# Altium PCB smoothieboard-5driver.PcbDoc (part 4 of 5) (continued)
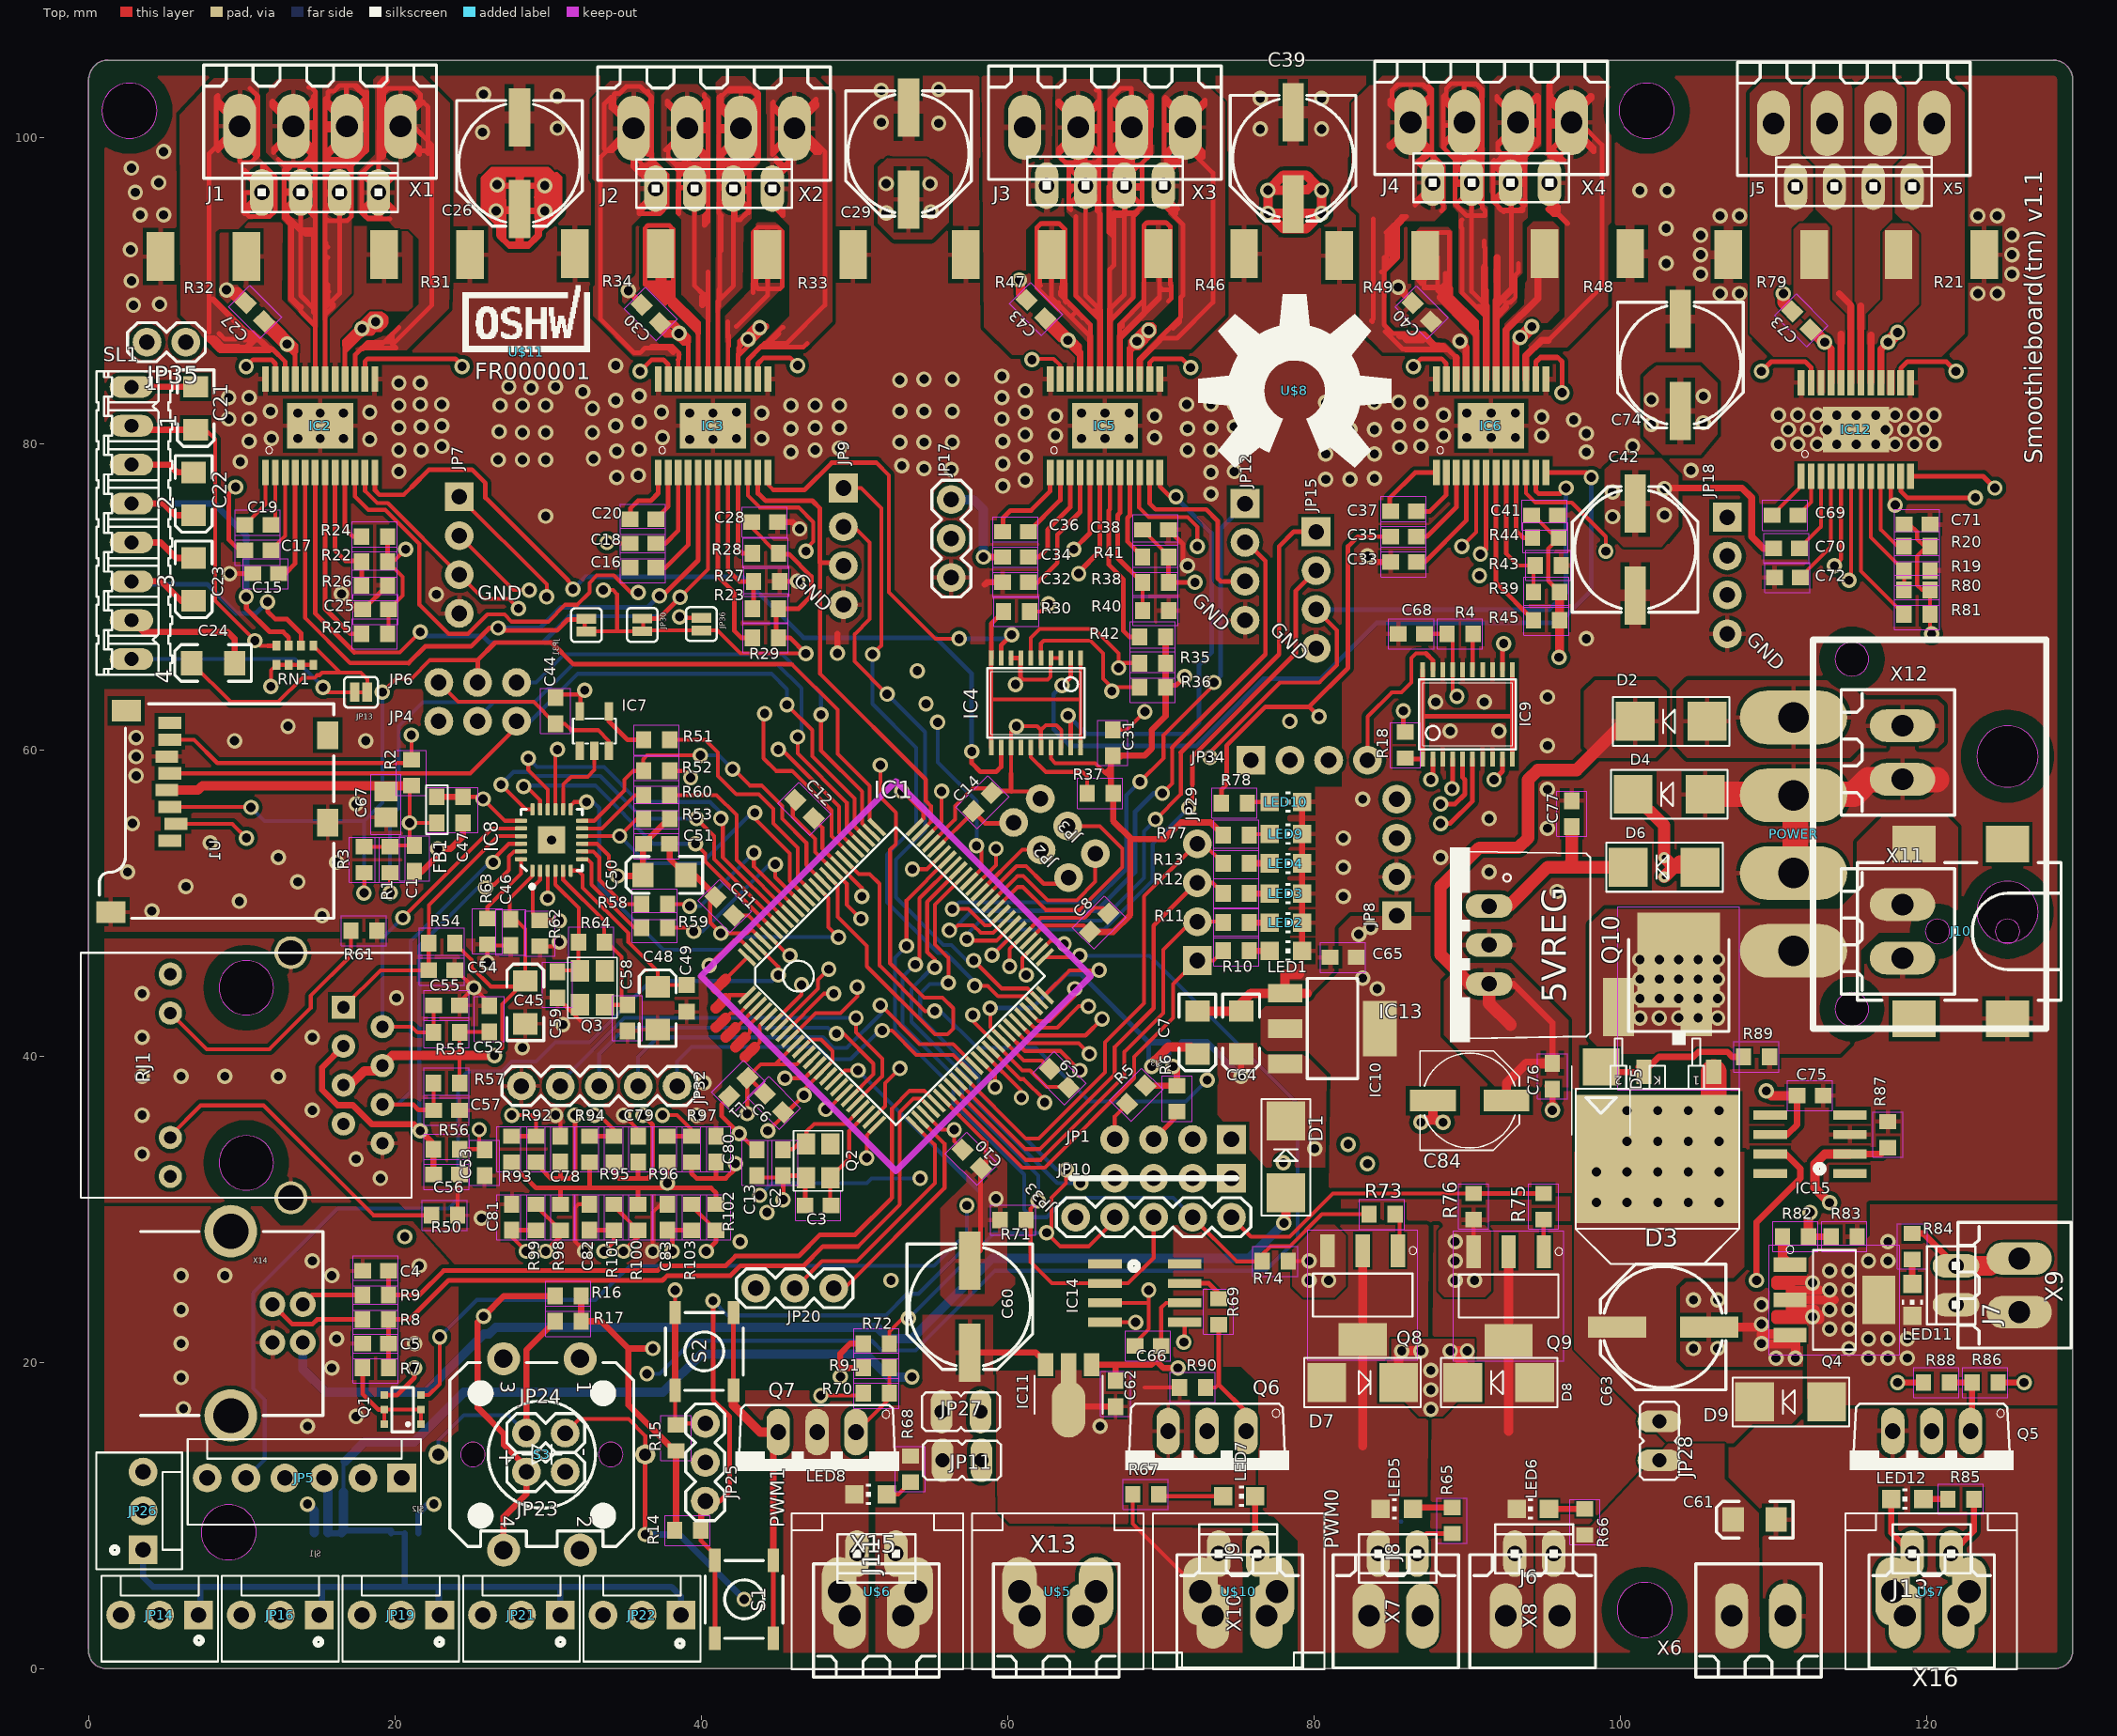
[diagram p0: Top view]
## Nets (pads, with @x,y where several pads share a name; then routed paths per layer and width w, separated by ;. In a path a pad name is that pad's centre, name@x,y a point inside that pad or via, vN(x,y) a via of type N, cw(c..) or ccw(c..) an arc to the next point about the centre after c; other vN are vias at no path point) (continued)
RD-: C57.1 IC8.22 R57.2 RJ1.RD- | length 32.5
  Top w0.254: v1(26.424,52.642) 26.615,52.832 26.615,53.023 27.444,53.852 IC8.22@28.234,53.852 ; RJ1.RD-@19.185,36.83 21.217,36.83 21.535,36.512 22.551,36.512 22.526,36.537 R57.2@22.526,38.227 C57.1@22.526,36.449 21.535,36.449 21.154,36.83 RJ1.RD-@19.185,36.83
  Bottom w0.254: RJ1.RD-@19.185,36.83 20.201,36.83 21.027,37.655 21.027,47.498 26.17,52.642 v1(26.424,52.642)
RESET: IC1.17 JP25.1 R14.1 S1.1 S1.2 | length 60.2
  Top w0.254: IC1.17@48.647,38.318 49.382,39.052 v1(50.237,39.052)
  Top w0.305: R14.1@40.013,9.056 R14.1@39.974,9.017 39.974,8.358 40.775,7.556 40.775,7.175 S1.2@40.902,7.048 40.902,2.032 40.966,1.968 S1.1@40.902,1.968 ; JP25.1@40.267,10.922 41.22,10.922 41.855,11.557 41.855,16.447 40.775,17.526 v1(40.775,24.003)
  Top w0.406: R14.1@40.013,9.056 40.013,10.668 JP25.1@40.267,10.922
  Bottom w0.254: v1(40.775,24.003) 41.728,23.05 52.038,23.05 53.451,24.464 54.193,24.464 58.258,28.529 58.258,31.031 v1(50.237,39.052)
RSTOUT: IC1.14 IC8.15 | length 34.9
  Top w0.254: IC8.15@30.484,56.102 30.484,59.876 v1(30.615,60.008) ; v1(45.474,38.544) 46.753,38.544 IC1.14@47.587,39.378
  Route2 w0.254: v1@30.488,59.88 v1(30.615,60.008) 30.425,59.817 30.425,57.15 33.536,54.038 33.536,49.593 44.585,38.544 v1(45.474,38.544)
RTS: JP5.6
RX_0: IC1.99 JP5.4 | length 53.4
  Top w0.254: v1(40.521,45.91) 42.139,47.529 42.618,47.529 IC1.99@43.344,46.803
  Route15 w0.254: JP5.4@12.825,12.429 12.825,12.754 15.883,15.811 15.883,17.399 17.153,18.669 17.153,21.844 20.011,24.701 21.281,24.701 24.773,28.194 24.773,29.781 26.678,31.686 26.678,38.672 27.631,39.624 29.218,39.624 30.488,40.894 33.981,40.894 38.997,45.91 v1(40.521,45.91)
SCK1: IC1.62 JP2.3 | length 6.9
  Top w0.254: IC1.62@58.547,50.338 58.547,50.347 60.587,52.387 61.222,52.387 62.365,51.244 63.58,51.244 JP2.3@63.989,51.653
SCL: IC1.24 JP1.4 R5.1 | length 41.1
  Top w0.254: IC1.24@51.122,35.843 52.008,36.729 52.008,38.22 v1(52.967,39.179) ; JP1.4@67.001,34.544 67.001,36.056 R5.1@67.804,36.859
  Route2 w0.254: v1(52.967,39.179) 53.539,39.751 59.571,39.751 62.81,42.989 62.81,47.879 63.318,48.387 65.858,48.387 67.556,46.689 67.556,41.37 67.239,41.053 67.239,34.782 JP1.4@67.001,34.544
SD_CD: IC1.52 JP20.3 | length 38.4
  Top w0.254: IC1.52@62.082,46.803 62.808,47.529 63.477,47.529 v1(63.699,47.307)
  Route2 w0.254: JP20.3@43.569,24.828 45.03,26.289 48.903,26.289 50.491,27.877 50.491,31.686 52.396,33.591 52.396,37.401 53.983,38.989 59.698,38.989 63.381,42.672 63.381,46.99 v1(63.699,47.307)
SD_CS: IC1.79 JP4.2 R1.1 U1.2 | length 71.8
  Top w0.254: U1.2@5.71,55.152 9.385,55.152 v1(10.308,54.229) ; R1.1@19.682,51.963 19.69,51.954 v1(19.69,50.654) ; v1(46.3,60.833) 46.3,59.753 49.508,56.545 49.508,54.781 IC1.79@50.415,53.874
  Route2 w0.254: v1(10.308,54.229) 18.208,54.229 19.69,52.746 v1(19.69,50.654)
  Bottom w0.254: v1(19.69,50.654) 19.69,55.612 20.265,56.186 20.265,61.531 21.836,63.103 26.472,63.103 ; JP4.2@25.408,61.849 25.408,62.039 26.472,63.103 ; v1(46.3,60.833) 46.554,61.087 46.554,64.008 44.966,65.596 31.631,65.596 29.139,63.103 26.472,63.103
SD_IRQ: IC1.27 JP20.1 | length 15.1
  Top w0.254: JP20.1@48.649,24.828 49.348,24.828 55.888,31.369 55.888,34.259 IC1.27@54.304,35.843
SD_MISO: IC1.77 JP6.1 R2.1 U1.7 | length 59.5
  Top w0.254: U1.7@5.31,60.652 6.885,60.652 8.408,59.129 20.863,59.129 R2.1@21.082,59.348 v1(21.082,60.952) ; v1(47.824,62.293) 47.824,59.944 50.508,57.259 50.508,55.195 IC1.77@51.122,54.581
  Route15 w0.254: v1(21.082,60.952) 21.082,62.603 21.598,63.119 26.678,63.119 JP6.1@27.948,64.389
  Bottom w0.254: JP6.1@27.948,64.389 29.218,64.389 31.06,66.23 45.284,66.23 47.824,63.691 v1(47.824,62.293)
SD_MOSI: IC1.76 JP6.2 R3.1 U1.3 | length 71.1
  Top w0.254: U1.3@5.31,56.252 10.585,56.252 v1(10.608,56.229) ; v1(17.985,50.64) 18.004,50.66 R3.1@18.004,51.963 ; v1(19.185,63.754) 20.074,64.643 21.09,64.643 22.297,65.849 25.408,65.849 ; 45.855,65.596 45.919,65.596 48.903,62.611 48.903,59.734 51.008,57.629 51.008,55.402 IC1.76@51.476,54.935
  Top w0.305: JP6.2@25.408,64.389 25.408,65.849 26.551,66.992 30.234,66.992 31.631,65.596 45.855,65.596
  Bottom w0.254: v1(10.608,56.229) 11.496,55.341 17.985,55.341 ; v1(17.985,50.64) 17.985,55.341 ; v1(19.185,63.754) 19.185,56.54 17.985,55.341
SD_SCK: IC1.78 JP4.3 U1.5 | length 55.5
  Top w0.254: U1.5@5.31,58.452 24.932,58.452 27.948,61.468 JP4.3@27.948,61.849 ; v1(45.601,62.928) 47.252,61.277 47.252,59.563 50.008,56.807 50.008,54.988 IC1.78@50.768,54.228
  Bottom w0.254: JP4.3@27.948,61.849 28.837,61.849 31.949,64.96 44.585,64.96 45.601,63.944 v1(45.601,62.928)
SD_WP: IC1.26 JP20.2 | length 16.3
  Top w0.254: JP20.2@46.109,24.828 47.887,26.607 50.173,26.607 55.253,31.686 55.253,34.187 IC1.26@53.95,35.489
SDA: IC1.25 JP1.3 R6.1 | length 48.8
  Top w0.254: v1(50.808,33.337) 50.808,34.822 IC1.25@51.476,35.489
  Top w0.305: JP1.3@69.541,34.544 71.065,36.068 R6.1@71.065,36.361
  Route2 w0.254: v1(50.808,33.337) 51.824,34.353 51.824,39.688 52.586,40.45 59.381,40.45 62.238,43.307 62.238,48.197 63,48.959 66.175,48.959 68.137,46.996 68.137,41.078 67.794,40.735 67.794,36.29 JP1.3@69.541,34.544
SMALL_MOSFET_POWER: C61.A D7.C D8.C J6.1 J8.2 JP28.1 R65.1 R66.1 X6.1 X7.1 X8.1 | length 10.2
  Top w0.305: J8.2@86.749,7.493 86.749,8.167 87.384,8.802 R65.1@89.035,8.802
  Top w0.61: D7.C@85.543,18.669 85.543,20.542 v1(85.733,20.733) v1(87.003,20.733) ; D8.C@89.734,18.669 89.734,19.907 v1(88.908,20.733) v1(90.019,20.733)
  Bottom w0.254: 85.648,9.589 85.718,9.589
  other v1: 87.638,16.923 87.638,18.193 87.638,19.463
SSEL1: IC1.63 JP2.2 | length 5.2
  Top w0.254: IC1.63@58.193,50.692 60.968,53.467 62.175,53.467 JP2.2@62.193,53.449
STP1: IC1.75 IC2.P11 JP7.3 | length 47.8
  Top w0.254: 18.046,76.894 18.844,76.097 19.542,76.097 JP7.3@24.202,71.438 25.789,69.85 27.44,69.85 v1(28.075,69.215) ; v1(53.094,57.277) 53.16,57.277 54.508,55.929 54.508,55.492 IC1.75@53.95,54.935
  Top w0.305: 18.046,76.894 IC2.P11@18.046,78.103
  Route2 w0.254: v1(28.075,69.215) 29.98,67.31 36.838,67.31 44.014,60.134 44.014,59.69 44.966,58.737 50.146,58.737 51.607,57.277 v1(53.094,57.277)
STP2: IC1.74 IC3.P11 JP9.3 | length 32
  Top w0.254: 47.76,72.2 47.76,64.96 54.664,58.057 54.664,56.66 54.999,56.325 54.999,55.276 IC1.74@54.304,54.581
  Top w0.305: IC3.P11@43.7,78.103 43.7,76.712 43.696,76.708 43.696,76.772 44.204,76.263 47.252,76.263 47.76,75.755 47.76,72.2 49.094,72.2 JP9.3@49.284,72.009
STP3: IC1.73 IC5.P11 JP12.3 | length 44.8
  Top w0.254: IC1.73@54.658,54.228 55.698,55.268 v1(55.698,57.277)
  Top w0.305: IC5.P11@69.291,78.103 69.291,76.069 69.668,75.692 72.97,75.692 73.732,74.93 73.732,71.183 73.922,70.993 JP12.3@75.51,70.993
  Route2 w0.254: v1(55.698,57.277) 56.523,58.102 56.523,60.261 58.238,61.976 58.238,65.468 59.254,66.484 69.985,66.484
  Route2 w0.305: 69.985,66.484 74.494,70.993 JP12.3@75.51,70.993
STP4: IC1.70 IC6.P11 JP15.3 | length 67.1
  Top w0.254: v1(53.793,52.197) 54.748,52.197 IC1.70@55.718,53.167 ; v1(73.224,59.499) 73.224,59.817 77.796,64.389 80.368,64.389 81.508,65.529 81.508,67.789 JP15.3@80.145,69.151
  Top w0.305: IC6.P11@94.5,78.103 94.5,76.894 94.687,76.708 96.084,76.708 v1(96.465,77.089)
  Route2 w0.254: v1(53.793,52.197) 53.983,52.197 61.413,59.627 73.097,59.627 v1(73.224,59.499)
  Bottom w0.305: JP15.3@80.145,69.151 95.38,69.151 96.465,70.236 v1(96.465,77.089)
STP5: IC1.65 IC12.P11 JP18.3 | length 101.7
  Top w0.254: IC1.65@57.486,51.399 58.301,52.214 58.301,53.404 v1(57.984,53.721)
  Top w0.305: IC12.P11@118.32,77.859 118.32,76.887 118.753,76.454 v1(123.198,76.454)
  Route2 w0.305: v1(55.444,61.785) 55.888,62.23 55.888,67.882 62.238,74.231 72.716,74.231 74.621,72.326 76.208,72.326 78.113,70.421 82.241,70.421 82.558,70.104 89.543,70.104 89.861,69.787 91.766,69.787 92.083,70.104 JP18.3@107.006,70.104
  Route2 w0.457: JP18.3@107.006,70.104 121.928,70.104 123.198,71.374 v1(123.198,76.454)
  Bottom w0.254: v1(55.444,61.785) 55.444,59.182 57.984,56.642 v1(57.984,53.721)
TD+: C54.1 IC8.21 R54.2 RJ1.TD+ | length 18.7
  Top w0.254: RJ1.TD+@16.645,43.18 19.058,45.593 C54.1@22.209,45.593 R54.2@22.209,47.371 22.233,47.395 22.233,49.847 26.737,54.352 IC8.21@28.234,54.352
TD-: C55.1 IC8.20 R55.2 RJ1.TD- | length 23.1
  Top w0.254: RJ1.TD-@19.185,41.91 21.09,41.91 21.471,41.529 R55.2@22.526,41.529 ; v1(20.519,49.022) 26.349,54.852 IC8.20@28.234,54.852 ; R55.2@22.501,41.554 R55.2@22.526,41.529 ; C55.1@22.526,43.307 R55.2@22.526,41.529
  Bottom w0.254: RJ1.TD-@19.185,41.91 19.185,47.688 v1(20.519,49.022)
TH1: C21.A IC1.9 RN1.8 SL1.2 | length 102.9
  Top w0.254: C21.A@7.053,80.835 7.701,80.835 8.258,80.279 8.258,69.728 v1(10.867,67.12) 11.194,66.792 11.702,66.792 ; IC1.9@45.819,41.146 47.471,42.799 49.094,42.799 50.192,43.898 v1(50.192,44.504)
  Top w0.305: C21.A@6.993,80.896 C21.A@7.053,80.835 ; 11.702,66.792 RN1.8@12.27,66.792
  Top w0.406: SL1.2@2.802,81.153 3.059,80.896 C21.A@6.993,80.896
  Route2 w0.254: v1(10.867,67.12) 9.408,68.578 9.408,70.329 10.008,70.929 12.208,70.929 14.408,68.729 22.02,68.729 23.249,67.501 24.479,67.501 28.386,71.408 38.836,71.408 40.308,69.936 40.308,66.829 43.066,64.072 45.933,64.072 46.83,63.175 46.83,61.86 48.492,60.198 51.956,60.198 54.208,57.946 54.208,56.829 52.808,55.429 52.808,48.329 50.192,45.713 v1(50.192,44.504)
TH2: C22.A IC1.8 RN1.7 SL1.4 | length 86.3
  Top w0.254: v1@10.295,69.913 10.359,69.85 10.359,69.215 11.819,67.754 11.819,67.691 ; IC1.8@45.465,41.5 48.035,44.069 v1(48.658,44.069)
  Top w0.305: v1(10.295,69.977) 10.295,69.913 10.295,69.215 11.819,67.691 12.708,67.691 13.07,67.329 RN1.7@13.07,66.792
  Top w0.406: SL1.4@2.802,76.073 4.898,76.073 5.663,75.308 C22.A@6.866,75.308
  Route15 w0.254: v1(10.295,69.977) 10.295,69.342 12.899,66.739 38.299,66.739 44.014,61.023 44.014,59.309 48.408,54.915 48.408,49.529 49.808,48.129 49.808,45.729 48.708,44.629 48.708,44.119 v1(48.658,44.069)
  Bottom w0.406: SL1.4@2.802,76.073 8.214,76.073 10.295,73.992 v1(10.295,69.977)
TH3: C23.A IC1.7 RN1.6 SL1.6 | length 83
  Top w0.254: IC1.7@45.112,41.853 45.112,41.865 47.633,44.386 47.633,44.967 v1(48.332,45.666)
  Top w0.305: v1(11.692,69.659) 11.692,69.025 12.2,68.516 12.962,68.516 13.87,67.608 RN1.6@13.87,66.792
  Top w0.406: SL1.6@2.802,70.993 4.771,70.993 6.044,69.72 C23.A@6.866,69.72
  Route2 w0.254: v1(11.692,69.659) 14.613,66.739 36.584,66.739 43.569,59.753 43.569,59.245 44.966,57.848 50.11,57.848 52.205,55.753 52.205,48.578 49.293,45.666 v1(48.332,45.666)
  Bottom w0.254: SL1.6@2.739,70.993 SL1.6@2.802,70.993
  Bottom w0.305: SL1.6@2.739,70.993 2.929,70.802 7.755,70.802 9.66,68.897 10.93,68.897 v1(11.692,69.659)
TH4: IC1.6 JP13.1 SL1.8 | length 75.1
  Top w0.254: v1(15.312,64.072) 15.629,63.754 JP13.1@17.376,63.754 18.264,63.754 ; IC1.6@44.758,42.207 44.758,42.21 46.554,44.005 v1(46.554,44.64)
  Route2 w0.254: v1(15.312,64.072) 17.344,66.103 36.267,66.103 43.008,59.362 43.008,58.929 44.85,57.087 49.983,57.087 51.634,55.435 51.634,48.831 49.348,46.545 47.887,46.545 46.554,45.212 v1(46.554,44.64)
  Bottom w0.254: SL1.8@2.802,65.913 13.47,65.913 v1(15.312,64.072)
TH4_P: C24.A JP13.2 RN1.5 | length 16.8
  Top w0.254: C24.A@6.736,65.659 9.276,63.119 12.391,63.119 13.978,64.706 14.772,64.706 14.931,64.865 15.089,64.865 15.248,65.024 16.438,65.024 ; RN1.5@14.67,66.792 16.438,65.024 ; JP13.2@18.2,63.754 18.2,64.612 17.788,65.024 16.518,65.024 16.438,65.024
THETA_CURRENT: IC9.19 JP34.4 | length 10.6
  Top w0.254: JP34.4@83.511,59.309 83.511,62.166 85.098,63.754 85.733,63.754 86.368,64.389 86.368,65.977 86.686,66.294 87.321,66.294
  Top w0.305: 87.321,66.294 87.768,65.846 IC9.19@87.768,65.227
TX_0: IC1.98 JP5.5 | length 62.7
  Top w0.254: IC1.98@43.697,47.157 45.03,45.824 v1(45.03,45.276)
  Bottom w0.254: JP5.5@10.285,12.429 11.508,13.652 11.508,17.529 10.758,18.279 10.758,24.529 16.258,30.029 23.503,30.029 24.138,30.664 24.138,38.354 24.773,38.989 26.996,38.989 27.631,39.624 29.218,39.624 30.488,40.894 32.711,40.894 36.711,44.895 44.649,44.895 v1(45.03,45.276)
USB_D+: C5.2 IC1.29 R7.1 R8.2 | length 48.4
  Top w0.254: 50.237,27.559 52.967,30.29 52.967,36.322 53.856,37.211 54.35,37.211 IC1.29@55.011,36.55 IC1.29@55.011,36.564
  Top w0.305: R7.1@19.59,19.621 C5.2@19.59,21.209 R8.2@19.59,22.796 20.963,22.796 23.503,25.336 37.473,25.336 37.791,25.654 41.918,25.654 42.553,26.289 46.681,26.289 47.951,27.559 50.237,27.559
USB_D-: C4.2 IC1.30 R9.2 | length 46.7
  Top w0.254: 52.396,30.67 52.459,30.734 52.459,36.576 53.602,37.719 54.549,37.719 IC1.30@55.365,36.903 IC1.30@55.365,36.909
  Top w0.305: C4.2@19.59,25.971 R9.2@19.59,24.384 21.598,24.384 23.186,25.971 37.156,25.971 37.473,26.289 41.601,26.289 42.236,26.924 46.363,26.924 47.76,28.321 50.046,28.321 52.396,30.67
VBB: C17.1 C18.1 C26.+ C27.1 C29.+ C30.1 C34.1 C35.1 C39.+ C40.1 C42.+ C43.1 C63.+ C70.1 C73.1 C74.+ D3.K D4.C D5.C D6.A D9.C IC2.P16 IC2.P21 IC3.P16 IC3.P21 IC5.P16 IC5.P21 IC6.P16 IC6.P21 IC12.P16 IC12.P21 J7.1 J13.1 JP11.2 JP17.1 JP27.2 JP28.2 Q10.2 R78.2 R84.1 R85.1 U$7.P$2 X9.1 X16.1 | length 324
  Top w0.254: 16.709,86.423 16.734,86.398 16.746,86.398 ; v1(33.854,73.533) 33.917,73.469 C18.1@35.353,73.469 ; C30.1@37.312,87.855 C30.1@37.41,87.757 ; 37.727,87.058 37.727,87.122 ; C30.1@37.727,87.503 37.791,87.503 37.981,87.312 ; C30.1@38.045,87.82 38.108,87.757 ; v1(38.553,87.185) v1@38.553,87.249 ; v1@38.934,86.868 38.934,86.853 39.008,86.779 ; 42.4,85.529 42.426,85.555 42.426,85.725 ; 42.426,86.233 42.426,86.169 42.49,86.169 ; 63.095,87.471 63.127,87.439 63.191,87.439 ; 68.017,86.042 68.017,86.233 v1(68.461,86.677)
  Top w0.305: v1(9.597,77.153) 9.152,76.708 9.152,73.724 9.851,73.025 C17.1@10.207,73.025 ; C27.1@11.467,87.982 12.2,87.249 12.137,87.249 ; C27.1@11.692,87.694 12.137,87.249 ; C27.1@11.946,87.884 12.073,87.884 13.534,86.423 13.534,85.979 13.47,85.915 ; v1(12.962,86.487) v1@12.962,86.423 ; 13.407,85.852 13.153,86.106 12.962,86.106 12.708,86.36 12.645,86.36 11.692,87.312 11.629,87.312 12.01,87.694 12.073,87.694 12.137,87.63 12.137,87.566 12.454,87.249 12.454,87.122 12.899,86.677 12.962,86.677 13.089,86.55 13.089,86.487 13.47,86.106 13.47,85.915 ; IC2.P21@13.496,84.203 13.496,85.89 13.47,85.915 ; IC2.P16@16.746,84.203 16.746,86.398 v1(17.852,87.503) ; v1@17.534,87.503 16.709,86.677 16.709,86.423 17.026,86.741 17.153,86.741 17.534,87.122 17.534,87.058 ; v1@17.598,87.503 17.598,87.63 18.423,88.456 19.122,88.456 19.185,88.392 19.249,88.392 19.439,88.201 19.439,87.884 19.376,87.82 19.376,87.757 19.058,87.439 18.614,87.439 18.423,87.249 18.042,87.249 17.852,87.058 17.534,87.058 ; v1@17.852,87.122 16.963,86.233 ; 18.677,87.376 18.487,87.185 17.852,87.185 16.772,86.106 16.772,86.042 16.963,86.233 ; v1@18.995,88.011 18.868,87.884 18.487,87.884 18.233,87.63 18.106,87.63 18.106,87.82 18.423,88.138 19.185,88.138 19.249,88.075 19.249,88.011 19.058,87.82 18.741,87.82 18.296,87.376 18.233,87.439 18.042,87.439 17.979,87.503 17.979,87.694 17.915,87.63 17.915,87.439 17.534,87.058 ; v1@26.583,96.806 26.615,96.806 v1@26.615,96.837 ; 29.218,96.075 29.282,96.075 ; 29.218,97.536 28.393,97.536 ; 29.282,96.393 29.282,96.075 ; 29.377,93.567 29.282,93.567 29.282,93.599 ; 29.599,97.346 29.599,97.314 ; v1@29.694,97.314 29.599,97.314 ; v1(29.79,96.837) v1@29.599,96.837 ; v1@29.853,95.186 29.853,95.313 v1@30.107,95.313 ; C30.1@37.346,87.82 C30.1@37.312,87.855 37.219,87.947 37.219,88.011 C30.1@37.727,87.503 ; C30.1@37.537,87.884 38.108,87.884 ; 37.727,87.122 37.791,87.185 37.791,87.312 ; C30.1@37.854,87.694 38.108,87.694 v1@38.553,87.249 ; 38.108,87.757 38.108,87.884 ; 38.896,86.779 39.008,86.779 39.15,86.779 IC3.P21@39.15,84.203 ; v1@38.934,86.868 v1@38.553,87.249 ; IC3.P16@42.4,84.203 42.4,85.529 42.4,85.826 ; 42.49,86.106 42.49,86.169 42.49,86.677 v1@43.696,87.884 ; v1@42.934,86.55 v1@42.934,86.804 ; v1@43.569,87.185 43.95,87.566 44.014,87.503 44.204,87.503 43.442,86.741 43.379,86.741 43.315,86.804 43.188,86.804 43.506,87.122 v1@43.506,87.376 ; v1(43.823,87.566) v1@43.823,87.694 ; v1@44.268,87.566 42.426,85.725 42.426,86.233 42.807,86.614 42.807,86.677 v1@42.934,86.804 ; v1@44.268,87.694 44.204,87.694 44.141,87.757 43.887,87.757 v1@43.823,87.694 ; C43.1@62.458,88.172 63.191,87.439 63.254,87.439 v1(63.953,86.741) 64.74,85.953 ; C43.1@62.556,87.63 C43.1@62.619,87.566 ; 62.937,87.63 63.095,87.471 64.08,86.487 64.588,86.487 64.715,86.36 64.715,85.725 63.699,86.741 63.445,86.741 C43.1@62.619,87.566 ; v1@64.143,86.614 64.524,86.233 64.524,86.55 63.064,88.011 63.064,87.694 63.191,87.566 C43.1@62.619,87.566 ; 67.991,86.207 v1(68.461,86.677) ; v1@68.207,86.55 69.287,87.63 69.35,87.63 69.414,87.566 69.414,87.439 68.652,86.677 68.652,86.614 68.08,86.042 68.017,86.042 ; R78.2@73.961,56.515 73.986,56.539 73.986,57.404 74.303,57.721 74.303,60.261 76.843,62.801 79.701,62.801 ; v1(80.336,62.166) 79.701,62.801 ; C35.1@85.01,73.914 82.876,73.914 82.241,73.279 82.241,65.341 79.701,62.801 ; 12.137,87.249 v1@12.962,86.423 ; v1@12.962,86.423 13.47,85.915 ; 16.963,86.233 16.772,86.233 17.534,86.995 17.534,87.058 ; 27.885,93.027 28.012,93.154 28.012,97.536 ; 27.885,93.027 27.44,93.027 27.123,93.345 27.123,95.885 27.059,95.948 27.059,97.409 27.186,97.536 28.012,97.536 ; 27.885,93.027 28.202,93.027 ; 28.012,97.536 28.139,97.536 ; 28.139,97.536 28.393,97.536 ; 28.139,97.536 28.139,93.091 28.202,93.027 ; 28.202,93.027 28.266,93.027 ; 28.266,93.027 28.266,97.409 28.393,97.536 ; 28.266,93.027 28.71,93.027 29.282,93.599 ; 29.282,93.599 29.282,96.075 ; 29.282,96.075 29.599,96.075 v1@29.599,96.837 ; v1@29.599,96.837 29.599,97.314 ; 38.108,87.884 38.235,87.884 39.188,86.931 39.188,86.614 39.124,86.55 38.807,86.55 38.553,86.804 38.489,86.804 38.235,87.058 37.727,87.058 37.664,87.058 37.473,87.249 37.537,87.249 37.727,87.439 37.854,87.439 37.981,87.312 38.045,87.249 v1@38.553,87.249 ; v1@42.934,86.804 v1@43.506,87.376 ; v1@43.506,87.376 v1@43.823,87.694 ; 68.017,86.042 68.207,86.233 68.588,86.233 69.604,87.249 69.604,87.63 69.477,87.757 69.096,87.757 68.017,86.677 68.017,86.042
  Top w0.406: v1(26.615,95.186) 26.615,96.837 v1(29.79,96.837) 29.853,96.837 29.853,95.186 26.551,95.186 26.551,95.298 C26.+@28.139,95.298 ; 30.552,97.536 30.742,97.346 30.742,95.123 30.044,94.424 29.917,94.424 29.409,93.916 29.409,93.599 29.377,93.567 28.71,92.9 27.504,92.9 26.805,93.599 26.805,94.297 25.789,95.313 25.789,97.282 26.361,97.853 29.98,97.853 30.615,97.218 30.615,95.123 ; v1(58.428,72.581) C34.1@59.674,72.581 ; IC5.P21@64.74,84.203 64.74,85.953 ; IC5.P16@67.991,84.203 67.991,86.207 ; R84.1@119.071,28.409 119.808,28.409 J7.1@121.928,26.289 ; J13.1@121.611,7.493 123.095,8.978 R85.1@123.095,11.049
  Top w0.457: v1(89.543,86.677) 89.95,86.271 IC6.P21@89.95,84.203 ; IC6.P16@93.2,84.203 93.2,86.652 v1(93.48,86.931) v1@93.544,86.931 ; v1(102.897,77.05) 102.935,77.089 107.958,77.089 108.593,76.454 108.593,73.914 109.353,73.154 C70.1@110.013,73.154 ; v1(105.437,83.083) v1@105.475,83.121 ; C73.1@112.439,87.428 C73.1@112.542,87.428 ; v1(113.356,86.614) 113.771,86.199 IC12.P21@113.771,83.959 ; IC12.P16@117.02,83.959 117.02,86.151 v1(117.483,86.614)
  Top w0.61: C39.+@78.649,96.529 v1(77.008,96.529) ; v1(77.008,95.029) 78.008,94.029 78.649,94.029 79.508,94.029 v1(80.508,95.029) ; v1(77.008,95.029) C39.+@78.508,95.029 ; v1(77.008,95.029) v1(77.008,96.529) ; v1(77.008,96.529) 78.008,97.529 79.508,97.529 80.026,97.01 ; C39.+@78.508,95.029 78.649,95.17 78.649,96.172 79.044,96.567 79.583,96.567 80.026,97.01 ; C39.+@78.508,95.029 v1(80.508,95.029) ; 80.026,97.01 v1(80.508,96.529) v1(80.508,95.029)
  Top w0.813: v1@93.544,86.931 v1(94.242,87.63) ; D5.C@98.751,34.884 99.996,34.884 v1(100.453,34.426) ; D4.C@100.846,57.087 102.878,55.054 v2(102.878,52.959) 103.513,52.324 D6.A@105.228,52.324 ; v2(102.878,51.689) 103.894,52.705 D6.A@105.228,52.705 ; C73.1@112.542,87.428 v1(113.356,86.614) ; v1(117.483,86.614) v1(118.118,87.249)
  Top w1.016: v1@26.361,95.567 26.361,97.028 26.583,96.806 26.678,96.71 26.678,94.932 26.742,94.996 26.742,97.536 ; 29.599,97.346 29.599,94.805 v1@29.663,94.742 ; 29.599,97.409 29.694,97.314 30.298,96.71 30.361,96.71 ; v1@30.107,95.313 v1@30.107,97.091
  Top w1.27: J7.1@121.928,26.289 124.151,26.289 124.786,26.924 X9.1@126.056,26.924
  Top w1.676: Q10.2@106.11,38.951 106.11,36.769 v1(106.453,36.426)
  Route15 w0.406: JP27.2@58.238,16.764 JP27.2@58.301,16.7 ; v1(80.336,62.166) 83.511,62.166 85.416,64.072 85.416,69.151 86.051,69.787 102.561,69.787
  Route15 w0.61: v1(33.854,73.533) 33.981,73.66 33.981,76.772 ; v1@58.428,72.644 58.428,77.089
  Route15 w0.813: v1(100.453,36.426) 99.703,37.176 99.703,48.514 v2(102.878,51.689) 103.513,52.324 v2(102.878,52.959)
  Bottom w0.61: JP17.1@56.333,76.327 57.793,76.327 58.428,75.692 v1(58.428,72.581)
  other v1: 98.453,30.426 100.453,30.426 102.453,30.426 104.453,30.426 106.453,30.426 98.453,32.426 100.453,32.426 102.453,32.426 104.453,32.426 106.453,32.426 102.453,34.426 104.453,34.426 106.453,34.426 102.453,36.426 104.453,36.426 99.505,75.219 102.897,75.319 99.505,76.824 102.045,81.251 105.437,81.351 102.045,82.856 43.061,86.804 69.223,87.376 18.741,87.947 52.078,95.059 54.999,95.123 29.79,95.186 26.678,96.901 52.078,96.965 54.936,96.965
VBB_IN: D3.1 D3.2 J10.P$4 POWER.P$1 Q10.3 X11.1
  other v1: 101.291,42.481 102.561,42.481 103.831,42.481 105.101,42.481 106.371,42.481 101.291,43.752 102.561,43.752 103.831,43.752 105.101,43.752 106.371,43.752 101.291,45.021 102.561,45.021 103.831,45.021 105.101,45.021 106.371,45.021 101.291,46.291 102.561,46.291 103.831,46.291 105.101,46.291 106.371,46.291
VBBREG: C77.1 D6.C IC13.1 | length 12.9
  Top w0.813: IC13.1@91.448,49.784 92.718,49.784 95.258,52.324 96.528,52.324 ; C77.1@96.846,54.967 96.846,52.642 96.528,52.324 ; D6.C@100.529,52.324 96.528,52.324
VUSB: D1.A X14.VBUS | length 73.6
  Top w0.61: v1(78.05,29.083) 78.177,29.21 D1.A@78.177,31.051
  Bottom w0.61: X14.VBUS@13.989,21.279 13.989,19.548 15.508,18.029 22.008,18.029 25.823,21.844 26.141,21.844 26.575,22.279 51.508,22.279 52.258,21.529 53.758,21.529 59.008,26.779 75.745,26.779 v1(78.05,29.083)
X_MAX: C79.1 IC1.39 R95.2 | length 42.9
  Top w0.254: R95.2@34.298,33.059 R95.2@34.298,33.274 ; IC1.39@58.547,40.086 58.547,40.077 60.905,37.719 v1(60.905,37.274)
  Top w0.305: R95.2@34.298,33.059 34.298,32.322 34.616,32.004 35.886,32.004 ; C79.1@35.886,33.059 35.886,32.004 ; v1(36.203,36.131) 36.838,35.496 36.838,32.322 36.521,32.004 35.886,32.004
  Route2 w0.254: v1(36.203,36.131) 36.838,35.496 36.838,34.227 40.172,30.893 v1(43.823,30.893) ; v1(54.301,32.004) 55.253,32.004 60.524,37.274 v1(60.905,37.274)
  Bottom w0.254: v1(43.823,30.893) 44.617,31.686 50.808,31.686 51.126,32.004 v1(54.301,32.004)
X_MIN: C78.1 IC1.38 R92.2 | length 48.2
  Top w0.254: R92.2@29.218,33.059 29.218,32.956 30.171,32.004 ; IC1.38@58.193,39.732 59.19,38.735 v1(59.19,37.973)
  Top w0.305: 29.853,32.322 30.171,32.004 30.806,32.004 ; C78.1@30.806,33.059 30.806,32.004 ; v1(31.758,36.131) 31.758,32.322 31.441,32.004 30.806,32.004
  Route2 w0.254: v1(31.758,36.131) 32.076,35.814 32.076,32.004 34.298,29.781 v1(44.299,29.781)
  Route15 w0.254: v1(44.299,29.781) 44.617,29.464 53.348,29.464 59.19,35.306 v1(59.19,37.973)
Y_MAX: C81.1 IC1.43 R99.2 | length 55.3
  Top w0.254: C81.1@27.631,28.614 27.631,28.194 v1(28.583,27.241) ; IC1.43@59.961,41.5 61.138,40.322 63.445,40.322 v1(64.715,39.052)
  Top w0.305: C81.1@27.631,28.614 R99.2@29.218,28.614
  Route2 w0.254: v1(28.583,27.241) 30.012,28.67 41.759,28.67 v1(42.553,27.877) ; v1(52.396,25.336) 53.983,26.924 53.983,29.781 60.143,35.941 62.746,35.941 64.715,37.91 v1(64.715,39.052)
  Route15 w0.254: v1(42.553,27.877) 42.871,27.559 48.903,27.559 51.126,25.336 v1(52.396,25.336)
Y_MIN: C80.1 IC1.40 R97.2 | length 37.2
  Top w0.254: IC1.40@58.9,40.439 58.9,40.422 60.841,38.481 61.056,38.481 62.429,37.108 v1(62.429,36.957)
  Top w0.305: R97.2@39.378,33.059 39.378,32.322 39.696,32.004 40.966,32.004 ; C80.1@40.966,33.059 40.966,32.004 ; v1(42.236,32.956) 42.236,32.639 41.601,32.004 40.966,32.004
  Route15 w0.254: v1(42.236,32.956) 42.236,30.416 43.823,28.829 53.666,28.829 60.651,35.814 61.286,35.814 v1(62.429,36.957)
Z_MAX: C83.1 IC1.45 R103.2 | length 54.5
  Top w0.254: IC1.45@60.668,42.207 61.536,41.338 65.096,41.338 v1(66.175,42.418)
  Top w0.305: C83.1@37.791,28.614 C83.1@38.108,28.614 ; v1(38.108,27.241) C83.1@38.108,28.614 ; R103.2@39.378,28.614 C83.1@38.108,28.614
  Route2 w0.254: v1(38.108,27.241) 38.108,25.971 37.473,25.336 37.473,23.749 38.426,22.796 51.126,22.796 54.618,26.289 54.618,29.464 60.397,35.242 63.064,35.242 66.175,38.354 v1(66.175,42.418)
Z_MIN: C82.1 IC1.44 R101.2 | length 47.9
  Top w0.254: IC1.44@60.314,41.853 61.337,40.831 64.651,40.831 v1(65.35,40.132)
  Top w0.305: C82.1@32.711,28.614 R101.2@34.298,28.614 34.298,27.877 v1(33.663,27.241)
  Route15 w0.254: v1(33.663,27.241) 35.251,28.829 42.871,28.829 43.506,28.194 53.983,28.194 60.968,35.179 62.238,35.179 65.731,38.672 65.731,39.624 65.35,40.005 v1(65.35,40.132)
ZETA_CURRENT: IC9.9 JP34.2 | length 17
  Top w0.305: v1(91.766,58.039) 92.318,58.591 IC9.9@92.318,59.391
  Route15 w0.305: JP34.2@78.431,59.309 80.336,61.214 87.003,61.214 90.178,58.039 v1(91.766,58.039)
pads on no net: IC1.13 IC1.16 IC1.18 IC4.14 IC7.1 IC9.14 IC14.1 IC14.8 IC15.1 IC15.4 IC15.5 IC15.8 J10.GND J10.VIN1 Q2.GND1 Q2.GND2 Q3.GND1 Q3.GND2 Q4.2 Q8.2 Q9.2 RJ1.NC S3.1 S3.3 U1.1 U1.8 U1.CD1 U1.GND3 X14.S1 X14.S2

## Polygon pours and split planes (outlines as drawn)
GND on Route2 "Polygon_1_Net_GND" (solid, remove dead copper, pour order 88): 129.751,105.232 129.751,-1.854 -0.195,-1.854 -0.195,105.232
AGND on Route2 "Polygon_2_Net_AGND" (solid, remove dead copper, pour order 26): 51.623,44.386 49.03,41.794 49.03,37.349 47.686,36.005 45.993,36.005 45.284,36.714 45.284,39.889 43.696,41.476 43.696,41.899 45.284,43.487 45.284,45.392 47.951,48.059
AGND on Route2 "Polygon_1_Net_AGND" (solid, remove dead copper, pour order 40): -1.019,88.831 -1.019,63.702 8.535,63.702 8.535,88.831